# Altium PCB MiniPC.PcbDoc (part 16 of 22) (continued)
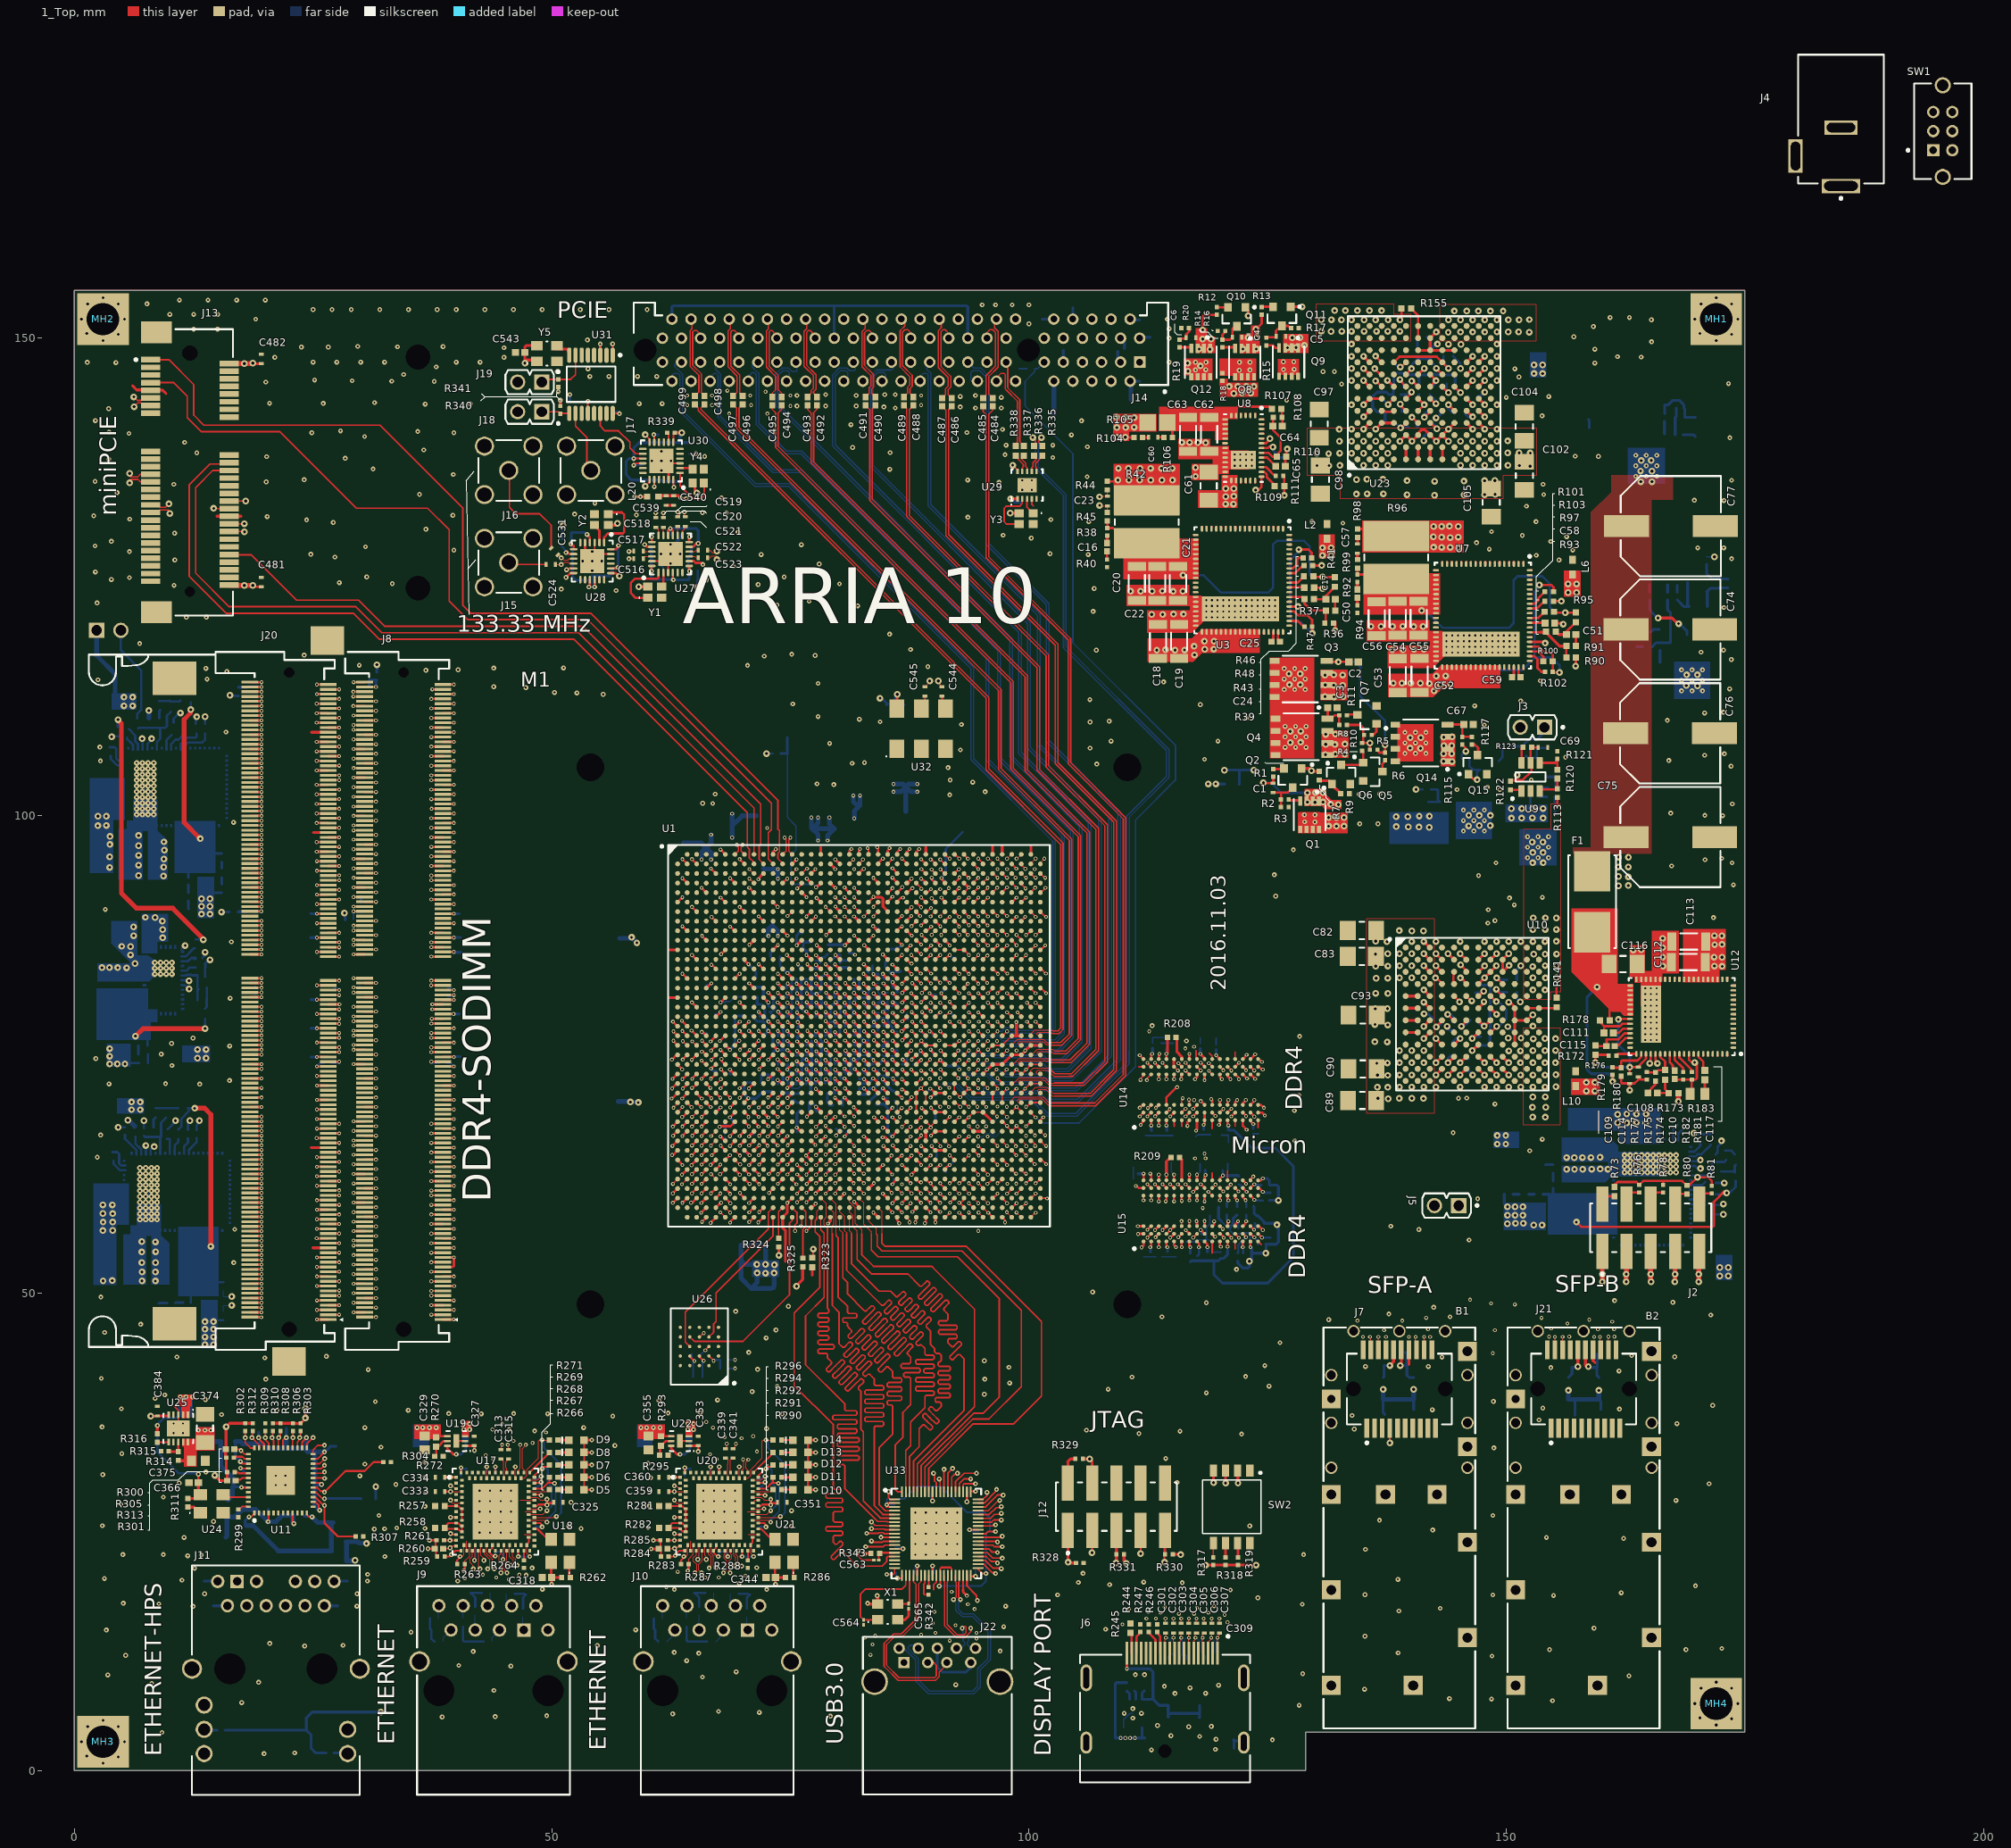
[diagram p0: 1_Top view]
## Nets (pads, with @x,y where several pads share a name; then routed paths per layer and width w, separated by ;. In a path a pad name is that pad's centre, name@x,y a point inside that pad or via, vN(x,y) a via of type N, cw(c..) or ccw(c..) an arc to the next point about the centre after c; other vN are vias at no path point) (continued)
  1_Top w0.25: J20.2@18.4,47.475 18.423,47.452 v1(19.576,47.452) ; J20.6@18.4,48.475 v1(19.602,48.475) ; J20.10@18.4,49.475 v1(19.602,49.475) ; J20.14@18.4,50.475 v1(19.602,50.475) ; J20.18@18.4,51.475 v1(19.602,51.475) ; J20.22@18.4,52.475 v1(19.602,52.475) ; J20.26@18.4,53.475 v1(19.602,53.475) ; J20.30@18.4,54.475 v1(19.602,54.475) ; J20.36@18.4,55.975 v1(19.602,55.975) ; J20.40@18.4,56.975 v1(19.602,56.975) ; J20.44@18.4,57.975 v1(19.602,57.975) ; J20.48@18.4,58.975 v1(19.602,58.975) ; J20.52@18.4,59.975 v1(19.602,59.975) ; J20.56@18.4,60.975 v1(19.602,60.975) ; J20.60@18.4,61.975 v1(19.602,61.975) ; J20.64@18.4,62.975 v1(19.602,62.975) ; J20.68@18.4,63.975 v1(19.602,63.975) ; J20.72@18.4,64.975 v1(19.602,64.975) ; J20.78@18.4,66.475 v1(19.602,66.475) ; J20.82@18.4,67.475 v1(19.602,67.475) ; J20.86@18.4,68.475 v1(19.602,68.475) ; J20.90@18.4,69.475 v1(19.602,69.475) ; J20.94@18.4,70.475 v1(19.602,70.475) ; J20.98@18.4,71.475 v1(19.602,71.475) ; J20.102@18.4,72.475 v1(19.602,72.475) ; J20.106@18.4,73.475 v1(19.602,73.475) ; J20.168@18.4,90.975 v1(19.602,90.975) ; J20.172@18.4,91.975 v1(19.602,91.975) ; J20.176@18.4,92.975 v1(19.602,92.975) ; J20.180@18.4,93.975 v1(19.602,93.975) ; J20.184@18.4,94.975 v1(19.602,94.975) ; J20.188@18.4,95.975 v1(19.602,95.975) ; J20.192@18.4,96.975 v1(19.602,96.975) ; J20.196@18.4,97.975 v1(19.602,97.975) ; J20.202@18.4,99.475 v1(19.602,99.475) ; J20.206@18.4,100.475 v1(19.602,100.475) ; J20.210@18.4,101.475 v1(19.602,101.475) ; J20.214@18.4,102.475 v1(19.602,102.475) ; J20.218@18.4,103.475 v1(19.602,103.475) ; J20.222@18.4,104.475 v1(19.602,104.475) ; J20.226@18.4,105.475 v1(19.602,105.475) ; J20.230@18.4,106.475 v1(19.602,106.475) ; J20.234@18.4,107.475 v1(19.602,107.475) ; J20.238@18.4,108.475 v1(19.602,108.475) ; J20.244@18.4,109.975 v1(19.602,109.975) ; J20.248@18.4,110.975 v1(19.602,110.975) ; J20.252@18.4,111.975 v1(19.602,111.975) ; v1(25.375,55.725) J20.35@26.6,55.725 ; v1(25.375,96.225) J20.189@26.6,96.225 ; v1(25.375,97.225) J20.193@26.6,97.225 ; v1(25.375,100.225) J20.205@26.6,100.225 ; v1(25.375,101.225) J20.209@26.6,101.225 ; v1(25.375,102.225) J20.213@26.6,102.225 ; v1(25.375,103.225) J20.217@26.6,103.225 ; v1(25.375,104.725) J20.223@26.6,104.725 ; v1(25.375,107.725) J20.235@26.6,107.725 ; v1(25.375,110.725) 26.489,110.725 26.495,110.73 26.55,110.675 J20.247@26.6,110.725 ; v1(25.375,111.725) J20.251@26.6,111.725 ; v1(25.376,66.228) 26.547,66.228 26.575,66.2 J20.77@26.6,66.225 ; v1(25.376,99.23) 26.545,99.23 26.575,99.2 J20.201@26.6,99.225 ; v1(25.376,105.73) 26.545,105.73 26.575,105.7 J20.227@26.6,105.725 ; v1(25.376,106.73) 26.545,106.73 26.575,106.7 J20.231@26.6,106.725 ; v1(25.376,109.73) 26.545,109.73 26.575,109.7 J20.243@26.6,109.725 ; v1(25.398,47.225) J20.1@26.6,47.225 ; v1(25.398,48.225) J20.5@26.6,48.225 ; v1(25.398,49.225) J20.9@26.6,49.225 ; v1(25.398,50.725) J20.15@26.6,50.725 ; v1(25.398,51.725) J20.19@26.6,51.725 ; v1(25.398,52.725) J20.23@26.6,52.725 ; v1(25.398,53.725) J20.27@26.6,53.725 ; v1(25.398,56.725) J20.39@26.6,56.725 ; v1(25.398,57.725) J20.43@26.6,57.725 ; v1(25.398,58.725) J20.47@26.6,58.725 ; v1(25.398,59.725) J20.51@26.6,59.725 ; v1(25.398,61.225) J20.57@26.6,61.225 ; v1(25.398,62.225) J20.61@26.6,62.225 ; v1(25.398,63.225) J20.65@26.6,63.225 ; v1(25.398,64.225) J20.69@26.6,64.225 ; v1(25.398,67.225) J20.81@26.6,67.225 ; v1(25.398,68.225) J20.85@26.6,68.225 ; v1(25.398,69.225) J20.89@26.6,69.225 ; v1(25.398,70.225) J20.93@26.6,70.225 ; v1(25.398,71.725) J20.99@26.6,71.725 ; v1(25.398,72.725) J20.103@26.6,72.725 ; v1(25.398,73.725) J20.107@26.6,73.725 ; v1(25.398,90.725) J20.167@26.6,90.725 ; v1(25.398,91.725) J20.171@26.6,91.725 ; v1(25.398,92.725) J20.175@26.6,92.725 ; v1(25.398,94.225) J20.181@26.6,94.225 ; v1(25.398,95.225) J20.185@26.6,95.225 ; J8.2@30.4,47.475 v1(31.602,47.475) ; J8.6@30.4,48.475 v1(31.602,48.475) ; J8.10@30.4,49.475 v1(31.602,49.475) ; J8.14@30.4,50.475 v1(31.602,50.475) ; J8.18@30.4,51.475 v1(31.602,51.475) ; J8.22@30.4,52.475 v1(31.602,52.475) ; J8.26@30.4,53.475 v1(31.602,53.475) ; J8.30@30.4,54.475 v1(31.602,54.475) ; J8.36@30.4,55.975 v1(31.602,55.975) ; J8.40@30.4,56.975 v1(31.602,56.975) ; J8.44@30.4,57.975 v1(31.602,57.975) ; J8.48@30.4,58.975 v1(31.602,58.975) ; J8.52@30.4,59.975 v1(31.602,59.975) ; J8.56@30.4,60.975 v1(31.602,60.975) ; J8.60@30.4,61.975 v1(31.602,61.975) ; J8.64@30.4,62.975 v1(31.602,62.975) ; J8.68@30.4,63.975 v1(31.602,63.975) ; J8.72@30.4,64.975 v1(31.602,64.975) ; J8.78@30.4,66.475 v1(31.602,66.475) ; J8.82@30.4,67.475 v1(31.602,67.475) ; J8.86@30.4,68.475 v1(31.602,68.475) ; J8.90@30.4,69.475 v1(31.602,69.475) ; J8.94@30.4,70.475 v1(31.602,70.475) ; J8.98@30.4,71.475 v1(31.602,71.475) ; J8.102@30.4,72.475 v1(31.602,72.475) ; J8.106@30.4,73.475 v1(31.602,73.475) ; J8.168@30.4,90.975 v1(31.602,90.975) ; J8.172@30.4,91.975 v1(31.602,91.975) ; J8.176@30.4,92.975 v1(31.602,92.975) ; J8.180@30.4,93.975 v1(31.602,93.975) ; J8.184@30.4,94.975 v1(31.602,94.975) ; J8.188@30.4,95.975 v1(31.602,95.975) ; J8.192@30.4,96.975 v1(31.602,96.975) ; J8.196@30.4,97.975 v1(31.602,97.975) ; J8.202@30.4,99.475 v1(31.602,99.475) ; J8.206@30.4,100.475 v1(31.602,100.475) ; J8.210@30.4,101.475 v1(31.602,101.475) ; J8.214@30.4,102.475 v1(31.602,102.475) ; J8.218@30.4,103.475 v1(31.602,103.475) ; J8.222@30.4,104.475 v1(31.602,104.475) ; J8.226@30.4,105.475 v1(31.602,105.475) ; J8.230@30.4,106.475 v1(31.602,106.475) ; J8.234@30.4,107.475 v1(31.602,107.475) ; J8.238@30.4,108.475 v1(31.602,108.475) ; J8.244@30.4,109.975 v1(31.602,109.975) ; J8.248@30.4,110.975 v1(31.602,110.975) ; J8.252@30.4,111.975 v1(31.602,111.975) ; J8.1@38.6,47.225 v1(39.75,47.225) ; J8.5@38.6,48.225 v1(39.75,48.225) ; J8.9@38.6,49.225 v1(39.75,49.225) ; J8.15@38.6,50.725 v1(39.775,50.725) ; J8.19@38.6,51.725 v1(39.75,51.725) ; J8.23@38.6,52.725 39.65,52.725 39.75,52.825 v1(39.75,53.725) J8.27@38.6,53.725 ; J8.31@38.6,54.725 v1(39.75,54.725) ; J8.35@38.6,55.725 v1(39.75,55.725) ; J8.39@38.6,56.725 v1(39.75,56.725) ; J8.43@38.6,57.725 v1(39.75,57.725) ; J8.47@38.6,58.725 v1(39.75,58.725) ; J8.51@38.6,59.725 v1(39.75,59.725) ; J8.57@38.6,61.225 v1(39.75,61.225) ; J8.61@38.6,62.225 v1(39.75,62.225) ; J8.65@38.6,63.225 v1(39.75,63.225) ; J8.69@38.6,64.225 v1(39.75,64.225) ; J8.73@38.6,65.225 v1(39.75,65.225) ; J8.77@38.6,66.225 v1(39.75,66.225) ; J8.81@38.6,67.225 v1(39.75,67.225) ; J8.85@38.6,68.225 v1(39.75,68.225) ; J8.89@38.6,69.225 v1(39.75,69.225) ; J8.93@38.6,70.225 v1(39.75,70.225) ; J8.99@38.6,71.725 v1(39.75,71.725) ; J8.103@38.6,72.725 v1(39.75,72.725) ; J8.107@38.6,73.725 v1(39.75,73.725) ; J8.167@38.6,90.725 v1(39.75,90.725) ; J8.171@38.6,91.725 38.62,91.745 39.745,91.745 v1(39.75,91.75) ; J8.175@38.6,92.725 v1(39.75,92.725) ; J8.181@38.6,94.225 v1(39.75,94.225) ; J8.185@38.6,95.225 v1(39.75,95.225) ; J8.189@38.6,96.225 v1(39.75,96.225) ; J8.193@38.6,97.225 v1(39.75,97.225) ; J8.197@38.6,98.225 v1(39.75,98.225) ; J8.201@38.6,99.225 v1(39.75,99.225) ; J8.205@38.6,100.225 v1(39.75,100.225) ; J8.209@38.6,101.225 v1(39.75,101.225) ; J8.213@38.6,102.225 v1(39.75,102.225) ; J8.217@38.6,103.225 v1(39.75,103.225) ; J8.223@38.6,104.725 v1(39.75,104.725) ; J8.227@38.6,105.725 v1(39.75,105.725) ; J8.231@38.6,106.725 v1(39.75,106.725) ; J8.235@38.6,107.725 v1(39.75,107.725) ; J8.239@38.6,108.725 v1(39.75,108.725) ; J8.243@38.6,109.725 v1(39.75,109.725) ; J8.247@38.6,110.725 v1(39.75,110.725) ; J8.251@38.6,111.725 v1(39.75,111.725) ; v1(62.575,70.375) 62.6,70.375 63.164,70.939 U1.AF1@63.194,70.939 ; v1(62.65,65.4) 62.655,65.4 U1.AL1@63.194,65.939 ; v1(62.694,60.439) U1.AT1@63.194,60.939 ; v1(62.75,76.425) 62.75,76.383 U1.AA1@63.194,75.939 ; U1.F1@63.194,90.939 v1(63.694,91.439) ; v1(63.65,62.395) U1.AP2@64.194,62.939 ; v1(63.65,78.5) 64.194,77.956 U1.W2@64.194,77.939 ; v1(63.694,67.439) U1.AJ2@64.194,67.939 ; v1(63.694,83.439) U1.P2@64.194,82.939 ; v1(63.694,93.439) U1.D2@64.194,92.939 ; v1(63.694,95.439) U1.B2@64.194,94.939 ; v1(63.7,72.4) 64.194,72.894 U1.AD2@64.194,72.939 ; v1(63.7,88.4) 64.161,87.939 U1.J2@64.194,87.939 ; v1(64.6,59.45) 64.705,59.45 U1.AU3@65.194,59.939 ; v1(64.65,64.4) 64.655,64.4 U1.AM3@65.194,64.939 ; v1(64.675,74.425) 64.68,74.425 U1.AB3@65.194,74.939 ; v1(64.694,90.439) U1.G3@65.194,89.939 ; v1(64.694,95.439) U1.B3@65.194,94.939 ; v1(64.7,80.433) U1.U3@65.194,79.939 ; v1(64.7,85.4) 65.161,84.939 U1.M3@65.194,84.939 ; U1.AG3@65.194,69.939 v1(65.658,69.475) ; v1(65.694,61.439) U1.AR4@66.194,61.939 ; v1(65.694,66.439) U1.AK4@66.194,66.939 ; v1(65.694,92.439) U1.E4@66.194,91.939 ; U1.AE4@66.194,71.939 66.194,71.906 v1(66.625,71.475) ; v1(66.65,63.425) 66.68,63.425 U1.AN5@67.194,63.939 ; v1(66.694,94.439) U1.C5@67.194,93.939 ; v1(66.729,84.375) 66.758,84.375 U1.N5@67.194,83.939 ; v1(66.75,89.375) U1.H5@67.194,88.931 ; U1.AV5@67.194,58.939 67.705,59.45 v1(67.75,59.45) ; U1.H5@67.194,88.819 U1.H5@67.194,88.931 ; U1.H5@67.194,88.939 U1.H5@67.194,88.931 ; v1(67.6,67.4) 67.6,67.466 67.592,67.474 68.729,67.474 U1.AJ7@69.194,67.939 ; v1(67.694,96.439) U1.A6@68.194,95.939 ; v1(67.7,91.4) 67.733,91.4 U1.F6@68.194,90.939 ; U1.AT6@68.194,60.939 68.7,60.433 v1(68.7,60.375) ; U1.AF6@68.194,70.939 68.683,70.45 v1(68.7,70.45) ; v1(68.694,93.439) U1.D7@69.194,92.939 ; v1(68.7,57.375) 68.7,57.445 U1.AW7@69.194,57.939 ; v1(68.7,88.375) 68.729,88.375 69.164,87.939 U1.J7@69.194,87.939 ; U1.AP7@69.194,62.939 69.7,62.433 v1(69.7,62.4) ; U1.W7@69.194,77.939 69.225,77.939 v1(69.7,78.414) ; U1.P7@69.194,82.939 v1(69.694,83.439) ; v1(69.694,80.439) U1.U8@70.194,79.939 ; v1(69.694,95.439) U1.B8@70.194,94.939 ; v1(69.725,60.475) 69.725,60.408 U1.AU8@70.194,59.939 ; U1.AB8@70.194,74.939 70.239,74.939 v1(70.75,75.45) ; v1(70.65,71.425) 70.68,71.425 U1.AE9@71.194,71.939 ; v1(70.675,77.45) 70.683,77.45 U1.Y9@71.194,76.939 ; v1(70.694,82.439) U1.R9@71.194,81.939 ; v1(70.694,92.439) U1.E9@71.194,91.939 ; U1.AR9@71.194,61.939 U1.AR9@71.194,61.939 v1(71.729,61.403) ; v1(71.69,84.429) 71.704,84.429 U1.N10@72.194,83.939 ; v1(71.694,79.439) U1.V10@72.194,78.939 ; v1(71.694,89.439) U1.H10@72.194,88.939 ; v1(71.725,58.47) U1.AV10@72.194,58.939 ; v1(71.725,63.448) 71.725,63.47 U1.AN10@72.194,63.939 ; v1(71.725,73.425) 71.725,73.47 U1.AC10@72.194,73.939 ; v1(72.679,70.478) 72.726,70.478 72.73,70.475 U1.AF11@73.194,70.939 ; v1(72.694,81.439) U1.T11@73.194,80.939 ; v1(72.775,60.475) 72.775,60.52 U1.AT11@73.194,60.939 ; U1.F11@73.194,90.939 73.675,90.458 v1(73.675,90.45) ; v1(73.694,62.439) U1.AP12@74.194,62.939 ; v1(73.694,78.439) U1.W12@74.194,77.939 ; v1(73.694,83.439) U1.P12@74.194,82.939 ; v1(73.7,67.45) 73.705,67.45 U1.AJ12@74.194,67.939 ; U1.D12@74.194,92.939 74.214,92.939 v1(74.675,93.4) ; v1(74.65,85.4) 75.111,84.939 U1.M13@75.194,84.939 ; v1(74.694,59.439) U1.AU13@75.194,59.939 ; v1(74.7,80.4) 74.733,80.4 U1.U13@75.194,79.939 ; v1(74.704,69.453) 74.708,69.453 U1.AG13@75.194,69.939 ; v1(76.73,68.475) U1.AH15@77.194,68.939 ; U1.H15@77.194,88.939 77.194,88.944 v1(77.675,89.425) ; v1(78.75,87.5) 78.755,87.5 U1.J17@79.194,87.939 ; v1(80.675,92.479) 80.675,92.458 U1.E19@81.194,91.939 ; U1.C20@82.194,93.939 82.194,93.969 82.65,94.425 v1(82.7,94.425) ; U1.F21@83.194,90.939 v1@83.7,91.445 ; v1(83.7,93.475) 84.194,92.981 U1.D22@84.194,92.939 ; v1(111.2,61.2) 111.3,61.2 111.4,61.1 111.5,61 U15.A8@112,61 ; v1(111.425,56.175) 111.45,56.2 U15.A2@112,56.2 ; v1(111.6,68.5) U14.A2@112,68.9 ; v1(112.4,55.8) U15.B2@112.8,56.2 ; v1(112.4,68.489) 112.4,68.5 U14.B2@112.8,68.9 ; U15.C9@113.6,61.8 v1(113.6,62.4) ; U14.C9@113.6,74.5 113.6,75 113.65,75.05 v1(113.675,75.05) ; v1(114,61.4) U15.D8@114.4,61 ; U15.D2@114.4,56.2 U15.E3@115.2,57 ; U14.D2@114.4,68.9 114.739,69.239 v1(114.739,69.261) ; v1(114.8,61.4) U15.E8@115.2,61 ; U15.E1@115.2,55.4 115.2,55 v1(115.4,54.8) ; U15.E9@115.2,61.8 v1(115.2,62.4) ; v1(116,54.8) 116,54.73 115.997,54.728 116,54.725 U15.F1@116,55.4 ; v1(116.4,61.4) U15.G8@116.8,61 ; v1(117.5,67) v1@117.5,67.035 ; v1@117.514,67.085 117.5,67.071 v1@117.5,67.035 ; U15.H1@117.6,55.4 117.8,55.2 v1(117.8,54.8) ; U15.H9@117.6,61.8 v1(117.6,62.4) ; U14.H1@117.6,68.1 117.6,67.135 v1@117.5,67.035 ; v3(136.21,146.82) 136.825,146.205 U23.C8@136.955,146.205 ; v3(136.31,145.52) 136.37,145.52 U23.C7@136.955,144.935 ; v3(136.31,148.12) U23.C9@136.955,147.475 ; v3(142.59,82.995) 142.69,82.995 143.265,82.42 U10.D4@143.265,82.37 ; v3(145.215,84.37) 145.805,83.78 U10.C6@145.805,83.64
  1_Top w0.3: 6.1,145 6.515,144.585 7.965,144.585 J13.9@8,144.55 9.25,144.55 9.6,144.2 ; 14.95,131.35 J13.34@16.2,131.35 17.45,131.35 ; 24.825,65.225 J20.73@26.6,65.225 ; 24.875,108.725 J20.239@26.6,108.725 ; 24.975,54.725 J20.31@26.6,54.725 ; 25.025,98.225 J20.197@26.6,98.225 ; U28.5@53.5,128.6 53.5,127.4 v8(54.25,126.65) ; Y2.4@55.945,130.425 56.725,130.425 v3(56.9,130.6) ; v3(59.125,123.975) Y1.4@60.075,123.975 ; U30.25@61.745,136.9 62.245,136.4 U30.23@62.245,135.2 ; C539.1@62,132.5 C540.1@62.8,132.5 ; 62.361,80.939 U1.T1@63.194,80.939 ; 62.361,85.939 U1.L1@63.194,85.939 ; Y4.4@64.77,134.85 65,134.62 65,134 v3(65.2,133.8) v3@65.046,133.8 ; v1(71.653,93.33) 71.653,93.385 71.65,93.388 71.678,93.417 71.675,93.42 U1.C10@72.194,93.939 ; U1.AH10@72.194,68.939 72.194,68.906 v1(72.7,68.4) ; U1.AA11@73.194,75.939 73.675,75.458 v1(73.675,75.45) ; U1.A11@73.194,95.939 73.194,96.194 v1(73.475,96.475) ; v1@73.68,73.454 U1.AD12@74.194,72.939 ; 74.5,53.3 74.5,56.513 74.194,56.819 U1.AW12@74.194,57.939 74.684,58.429 74.684,59.429 v1(74.694,59.439) ; v1(74.704,75.429) 74.746,75.429 75.194,74.981 U1.AB13@75.194,74.939 ; U1.B13@75.194,94.939 75.194,94.944 v1(75.65,95.4) ; v1(75.7,63.425) 75.708,63.425 U1.AP14@76.194,62.939 ; v1(75.725,62.425) 76.194,61.956 U1.AR14@76.194,61.939 ; U1.E14@76.194,91.939 76.211,91.939 v1(76.7,91.45) ; v1(76.65,64.4) 77.111,63.939 U1.AN15@77.194,63.939 ; v1(76.675,79.475) 76.675,79.458 U1.V15@77.194,78.939 ; v1(76.7,74.45) 76.7,74.433 U1.AC15@77.194,73.939 ; v1(76.725,61.425) 77.194,61.894 U1.AR15@77.194,61.939 ; v1(76.725,93.4) 76.733,93.4 U1.D15@77.194,92.939 ; v1(76.775,77.45) 77.194,77.031 U1.Y15@77.194,76.939 ; v1(76.775,84.425) 77.194,84.006 U1.N15@77.194,83.939 ; U1.AV15@77.194,58.939 77.239,58.939 v1(77.65,59.35) ; U1.C15@77.194,93.939 77.625,94.37 v1(77.625,94.4) ; 77.3,51.85 R323.1@77.3,52.7 ; v1(77.65,60.425) 78.164,60.939 U1.AT16@78.194,60.939 ; v1(77.675,71.375) 78.111,70.939 U1.AF16@78.194,70.939 ; v1(77.75,81.325) 78.136,80.939 U1.T16@78.194,80.939 ; v1(77.75,91.375) 77.758,91.375 U1.F16@78.194,90.939 ; v1(77.775,86.425) 78.194,86.006 U1.L16@78.194,85.939 ; U1.AL16@78.194,65.939 78.239,65.939 v1(78.7,66.4) ; U1.A16@78.194,95.939 78.194,96.694 ; v1(78.7,78.475) 79.194,77.981 U1.W17@79.194,77.939 ; v1(78.725,76.425) 79.194,75.956 U1.AA17@79.194,75.939 ; v1(78.725,83.45) 79.194,82.981 U1.P17@79.194,82.939 ; v1(78.95,57.275) 79.194,57.519 U1.AW17@79.194,57.939 ; U1.AJ17@79.194,67.939 79.194,67.994 79.65,68.45 v1(79.7,68.45) ; U1.D17@79.194,92.939 79.708,92.425 v1(79.725,92.425) ; U1.B17@79.194,94.939 79.7,94.433 v1(79.7,94.4) ; v1(79.675,70.45) 79.683,70.45 U1.AG18@80.194,69.939 ; v1(79.7,95.4) 80.194,94.906 U1.B18@80.194,94.939 ; v1(79.725,75.425) 80.194,74.956 U1.AB18@80.194,74.939 ; v1(79.725,85.4) 79.733,85.4 U1.M18@80.194,84.939 ; v1(79.733,90.467) 79.733,90.4 U1.G18@80.194,89.939 ; v1(79.75,80.45) 79.75,80.383 U1.U18@80.194,79.939 ; U1.AU18@80.194,59.939 80.65,60.395 v1(80.65,60.4) ; v1(80.675,72.475) 80.675,72.458 U1.AE19@81.194,71.939 ; v1(80.75,77.45) 80.75,77.383 U1.Y19@81.194,76.939 ; v1(80.75,82.45) 81.194,82.006 U1.R19@81.194,81.939 ; U1.AR19@81.194,61.939 81.211,61.939 v1(81.65,61.5) ; v1(81.65,69.45) 82.161,68.939 U1.AH20@82.194,68.939 ; v1(81.65,74.45) 82.161,73.939 U1.AC20@82.194,73.939 ; v1(81.7,59.55) 82.194,59.056 U1.AV20@82.194,58.939 ; v1(81.7,79.4) 82.161,78.939 U1.V20@82.194,78.939 ; U1.AN20@82.194,63.939 82.211,63.939 v1(82.7,63.45) ; v1(82.7,76.425) 82.708,76.425 U1.AA21@83.194,75.939 ; v1(82.7,84.425) 82.708,84.425 U1.N21@83.194,83.939 ; v1(82.75,81.45) 83.194,81.006 U1.T21@83.194,80.939 ; v1(82.75,86.425) 83.194,85.981 U1.L21@83.194,85.939 ; v1(83.7,58.425) 83.708,58.425 U1.AW22@84.194,57.939 ; v1(83.7,74.4) 84.161,73.939 U1.AC22@84.194,73.939 ; v1@83.7,91.445 84.555,91.445 84.704,91.296 84.704,90.496 85.194,90.006 U1.G23@85.194,89.939 ; v1(83.75,78.375) 84.186,77.939 U1.W22@84.194,77.939 ; v1(83.775,68.4) 84.194,67.981 U1.AJ22@84.194,67.939 ; v1(84.7,60.4) 85.161,59.939 U1.AU23@85.194,59.939 ; v1(84.7,85.45) 85.194,84.956 U1.M23@85.194,84.939 ; v1(84.704,80.404) 84.746,80.404 85.194,79.956 U1.U23@85.194,79.939 ; v1(84.725,70.45) 85.194,69.981 U1.AG23@85.194,69.939 ; v1(84.75,65.4) 84.75,65.383 U1.AM23@85.194,64.939 ; v1(84.75,75.45) 85.194,75.006 U1.AB23@85.194,74.939 ; v1(85.7,77.425) 85.708,77.425 U1.Y24@86.194,76.939 ; v1(85.725,82.55) 85.725,82.408 U1.R24@86.194,81.939 ; v1(85.75,72.45) 86.194,72.006 U1.AE24@86.194,71.939 ; X1.2@86.25,15.775 87,15.775 87.4,16.175 C565.1@87.4,16.94 ; v1(86.725,78.45) 87.194,78.919 U1.V25@87.194,78.939 ; v1(86.775,74.45) 87.194,74.031 U1.AC25@87.194,73.939 ; v1(87.675,73.4) 88.136,72.939 U1.AD26@88.194,72.939 ; v1(87.679,81.404) 87.679,81.371 88.111,80.939 U1.T26@88.194,80.939 ; v1(87.725,74.45) 87.725,74.47 U1.AB26@88.194,74.939 ; v1(87.725,77.425) 88.194,76.956 U1.Y26@88.194,76.939 ; v1(87.725,79.425) 87.725,79.408 U1.V26@88.194,78.939 ; v1(87.775,78.4) 87.775,78.358 U1.W26@88.194,77.939 ; v1(87.775,82.45) 88.194,82.031 U1.R26@88.194,81.939 ; v1(88.65,75.4) 89.111,74.939 U1.AB27@89.194,74.939 ; v1(88.7,78.425) 88.708,78.425 U1.W27@89.194,77.939 ; v1@88.725,76.35 89.136,75.939 U1.AA27@89.194,75.939 ; v1(88.8,79.425) 89.194,79.031 U1.V27@89.194,78.939 ; U1.AL27@89.194,65.939 U1.AK27@89.194,66.939 ; U1.A27@89.194,95.939 89.194,96.694 ; v1(90.7,74.4) 91.161,73.939 U1.AC29@91.194,73.939 ; U1.E30@92.194,91.939 92.214,91.939 v1(92.675,92.4) ; 93.1,19 93.1,18.7 v5(93.5,18.3) ; U1.D31@93.194,92.939 93.206,92.939 v1@93.7,92.445 ; U1.AK32@94.194,66.939 U1.AK33@95.194,66.939 ; U1.AH33@95.194,68.939 U1.AJ34@96.194,67.939 ; U1.AD33@95.194,72.939 U1.AC34@96.194,73.939 U1.AC35@97.194,73.939 U1.AB36@98.194,74.939 U1.AB37@99.194,74.939 U1.AA38@100.194,75.939 U1.AA39@101.194,75.939 ; U1.A34@96.194,95.939 96.194,96.794 ; U1.A35@97.194,95.939 97.194,96.794 ; v3(98.025,131.675) Y3.2@98.975,131.675 ; U1.Y36@98.194,76.939 98.675,76.939 ; v5(98.675,78.375) 98.675,78.16 98.684,78.151 98.684,76.948 98.675,76.939 ; U1.Y37@99.194,76.939 98.675,76.939 ; U1.A38@100.194,95.939 100.194,96.794 ; U14.E8@115.2,73.7 115.161,73.739 115.161,74.461 U14.E9@115.2,74.5 ; v3(135.05,140.49) U23.B4@135.685,141.125 ; v3(135.05,141.76) U23.B5@135.685,142.395 ; v3(135.05,143.03) U23.B6@135.685,143.665 U23.C6@136.955,143.665 ; v3(135.05,145.57) U23.B7@135.685,144.935 ; v3(135.05,146.84) U23.B8@135.685,146.205 ; v3(135.05,148.11) U23.B9@135.685,147.475 ; v3(136.32,140.49) U23.C4@136.955,141.125 U23.D4@138.225,141.125 ; v3(137.557,145.582) 137.578,145.582 U23.D7@138.225,144.935 ; v3(138.86,139.22) U23.E3@139.495,139.855 v3(140.13,139.22) U23.F3@140.765,139.855 140.765,140.065 141.09,140.39 141.5,140.39 U23.G3@142.035,139.855 v3(142.67,139.22) U23.H3@143.305,139.855 ; 139.8,42.5 J7.14@139.8,44.05 ; U23.F10@140.765,148.745 140.78,148.73 144.56,148.73 U23.J10@144.575,148.745 ; v3(141.36,76.655) U10.H3@141.995,77.29 ; v3(141.36,77.925) U10.G3@141.995,78.56 ; v3(141.36,80.465) U10.F3@141.995,79.83 ; v3(141.36,81.735) U10.E3@141.995,81.1 ; U23.G10@142.035,148.745 U23.G11@142.035,150.015 v3(142.67,150.65) ; v3(142.63,72.845) U10.L4@143.265,73.48 ; v3(142.63,74.115) U10.K4@143.265,74.75 ; v3(142.63,76.655) U10.J4@143.265,76.02 ; v3(142.63,84.275) U10.C4@143.265,83.64 ; v3(142.63,85.545) U10.B4@143.265,84.91 ; v3(143.9,72.845) U10.L5@144.535,73.48 ; v3(143.9,85.545) U10.B5@144.535,84.91 ; v3(143.94,139.22) U23.H3@143.305,139.855 ; U23.J4@144.575,141.125 v3(143.94,140.49) U23.H3@143.305,139.855 ; v3(145.17,72.845) U10.L6@145.805,73.48 ; v3(145.17,85.545) U10.B6@145.805,84.91 ; U23.K4@145.845,141.125 v3(146.48,140.49) ; U23.K7@145.845,144.935 v3(146.48,145.57) ; U23.K8@145.845,146.205 v3(146.48,146.84) ; U23.K9@145.845,147.475 v3(146.48,148.11) ; U10.L7@147.075,73.48 v3(147.71,72.845) ; U10.K7@147.075,74.75 v3(147.71,74.115) ; U10.D7@147.075,82.37 v3(147.71,83.005) U10.C8@148.345,83.64 148.96,84.255 v3(148.96,84.28) ; U10.C7@147.075,83.64 147.1,83.64 v3(147.72,84.26) ; U10.B7@147.075,84.91 v3(147.71,85.545) ; U23.L4@147.115,141.125 v3(147.75,140.49) ; U23.L5@147.115,142.395 v3(147.75,141.76) ; U23.L6@147.115,143.665 v3(147.75,143.03) ; U23.L7@147.115,144.935 v3(147.75,145.57) ; U23.L8@147.115,146.205 v3(147.75,146.84) ; U23.L9@147.115,147.475 v3(147.75,148.11) ; U10.L8@148.345,73.48 v3(148.98,72.845) ; U10.K8@148.345,74.75 v3(148.98,74.115) ; U10.B8@148.345,84.91 v3(148.98,85.545) ; U10.L9@149.615,73.48 v3(150.25,72.845) ; U10.K9@149.615,74.75 v3(150.25,74.115) ; v3(150.25,80.46) 150.39,80.46 150.885,79.965 U10.F10@150.885,79.83 U10.G10@150.885,78.56 ; v3(150.25,85.545) U10.B9@149.615,84.91 U10.C9@149.615,83.64 149.62,83.64 v3(150.29,84.31) ; U10.J10@150.885,76.02 U10.H10@150.885,77.29 U10.G10@150.885,78.56 ; v3(152.77,79.14) 152.19,78.56 U10.G11@152.155,78.56 U10.G10@150.885,78.56 ; J21.14@159.1,44.05 159.1,42.9 159.3,42.7
  7_int6_(sign) w0.2: v1@65.9,42.9 v1(65.925,42.9)
  2_int1_(gnd) w0.3: v1(19.602,111.975) 20.275,111.975